# Altium PCB as14120_all_4.PcbDoc (part 1 of 3)
Units mm, origin at the board's own origin, x right, y up, seen from the top; angles counter-clockwise.
Board outline 130 x 100 mm, 6 copper layers (Top Layer, GND_top, Signal_Power, Signal_midle, GND_bot, Bottom Layer), stack 1.003 mm thick; 375 components, 345 nets, 2185 pads, 1021 vias.
Unrouted connection lines stored in the file: 609.
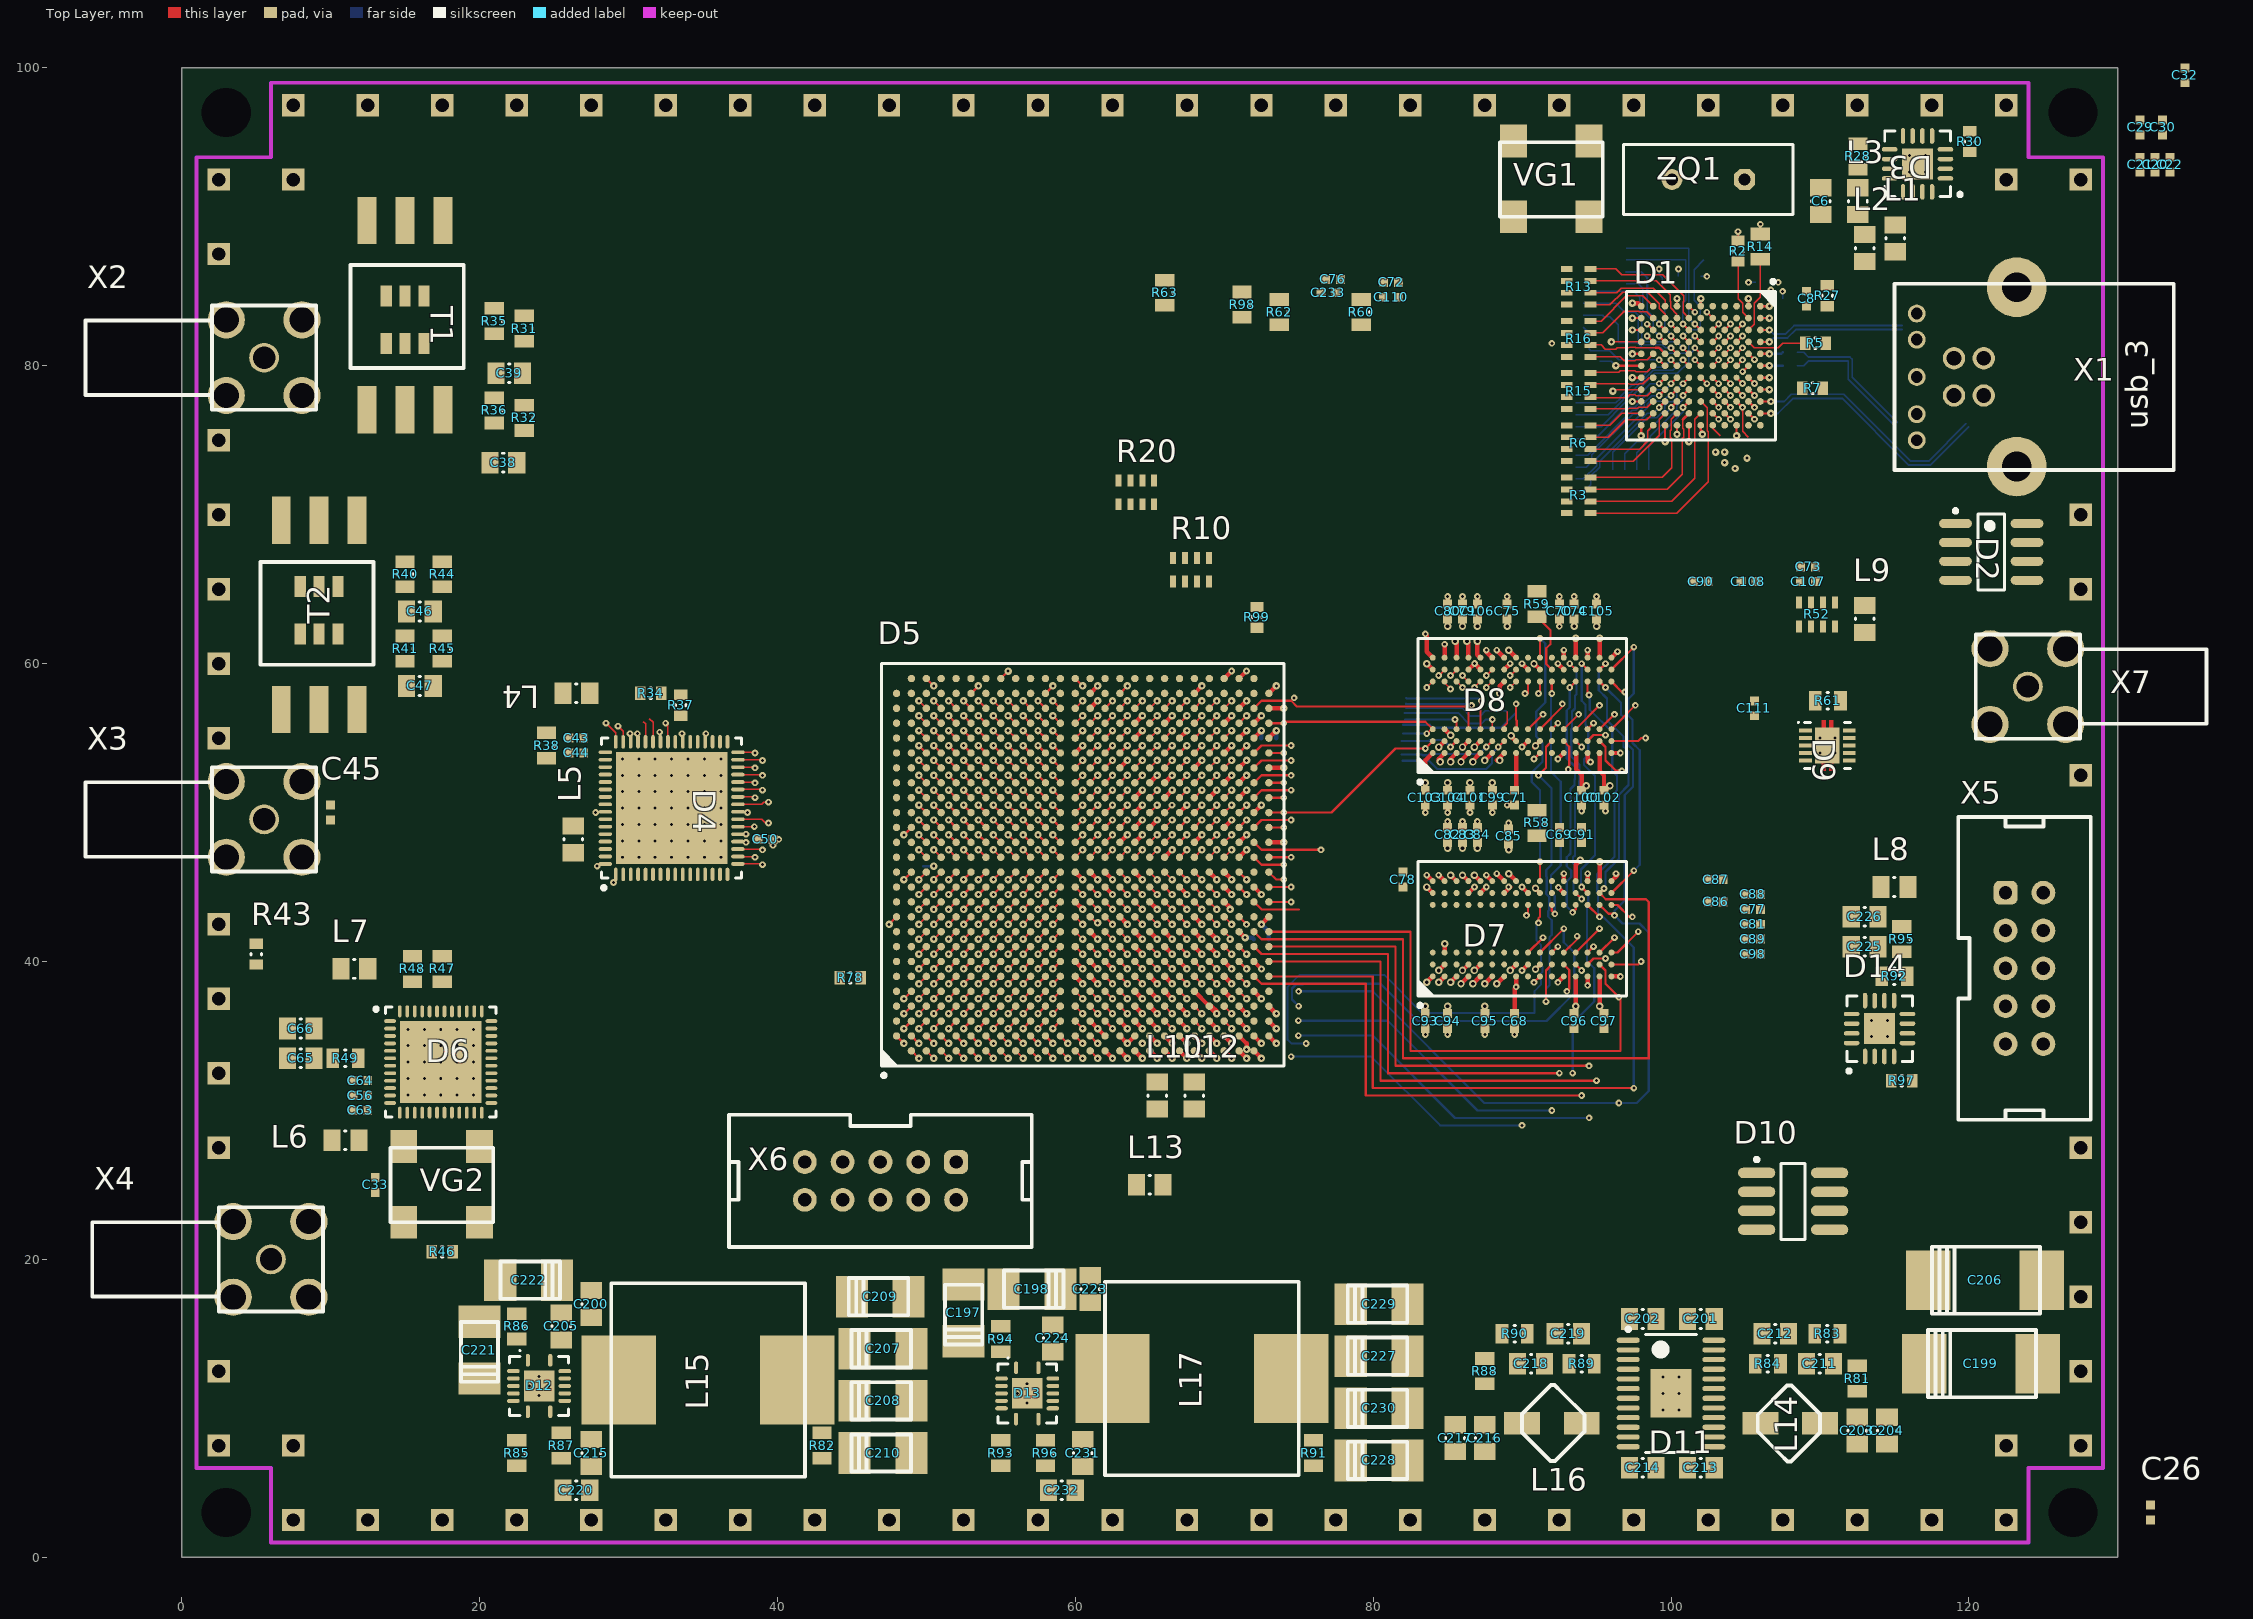
[diagram p0: Top Layer view]
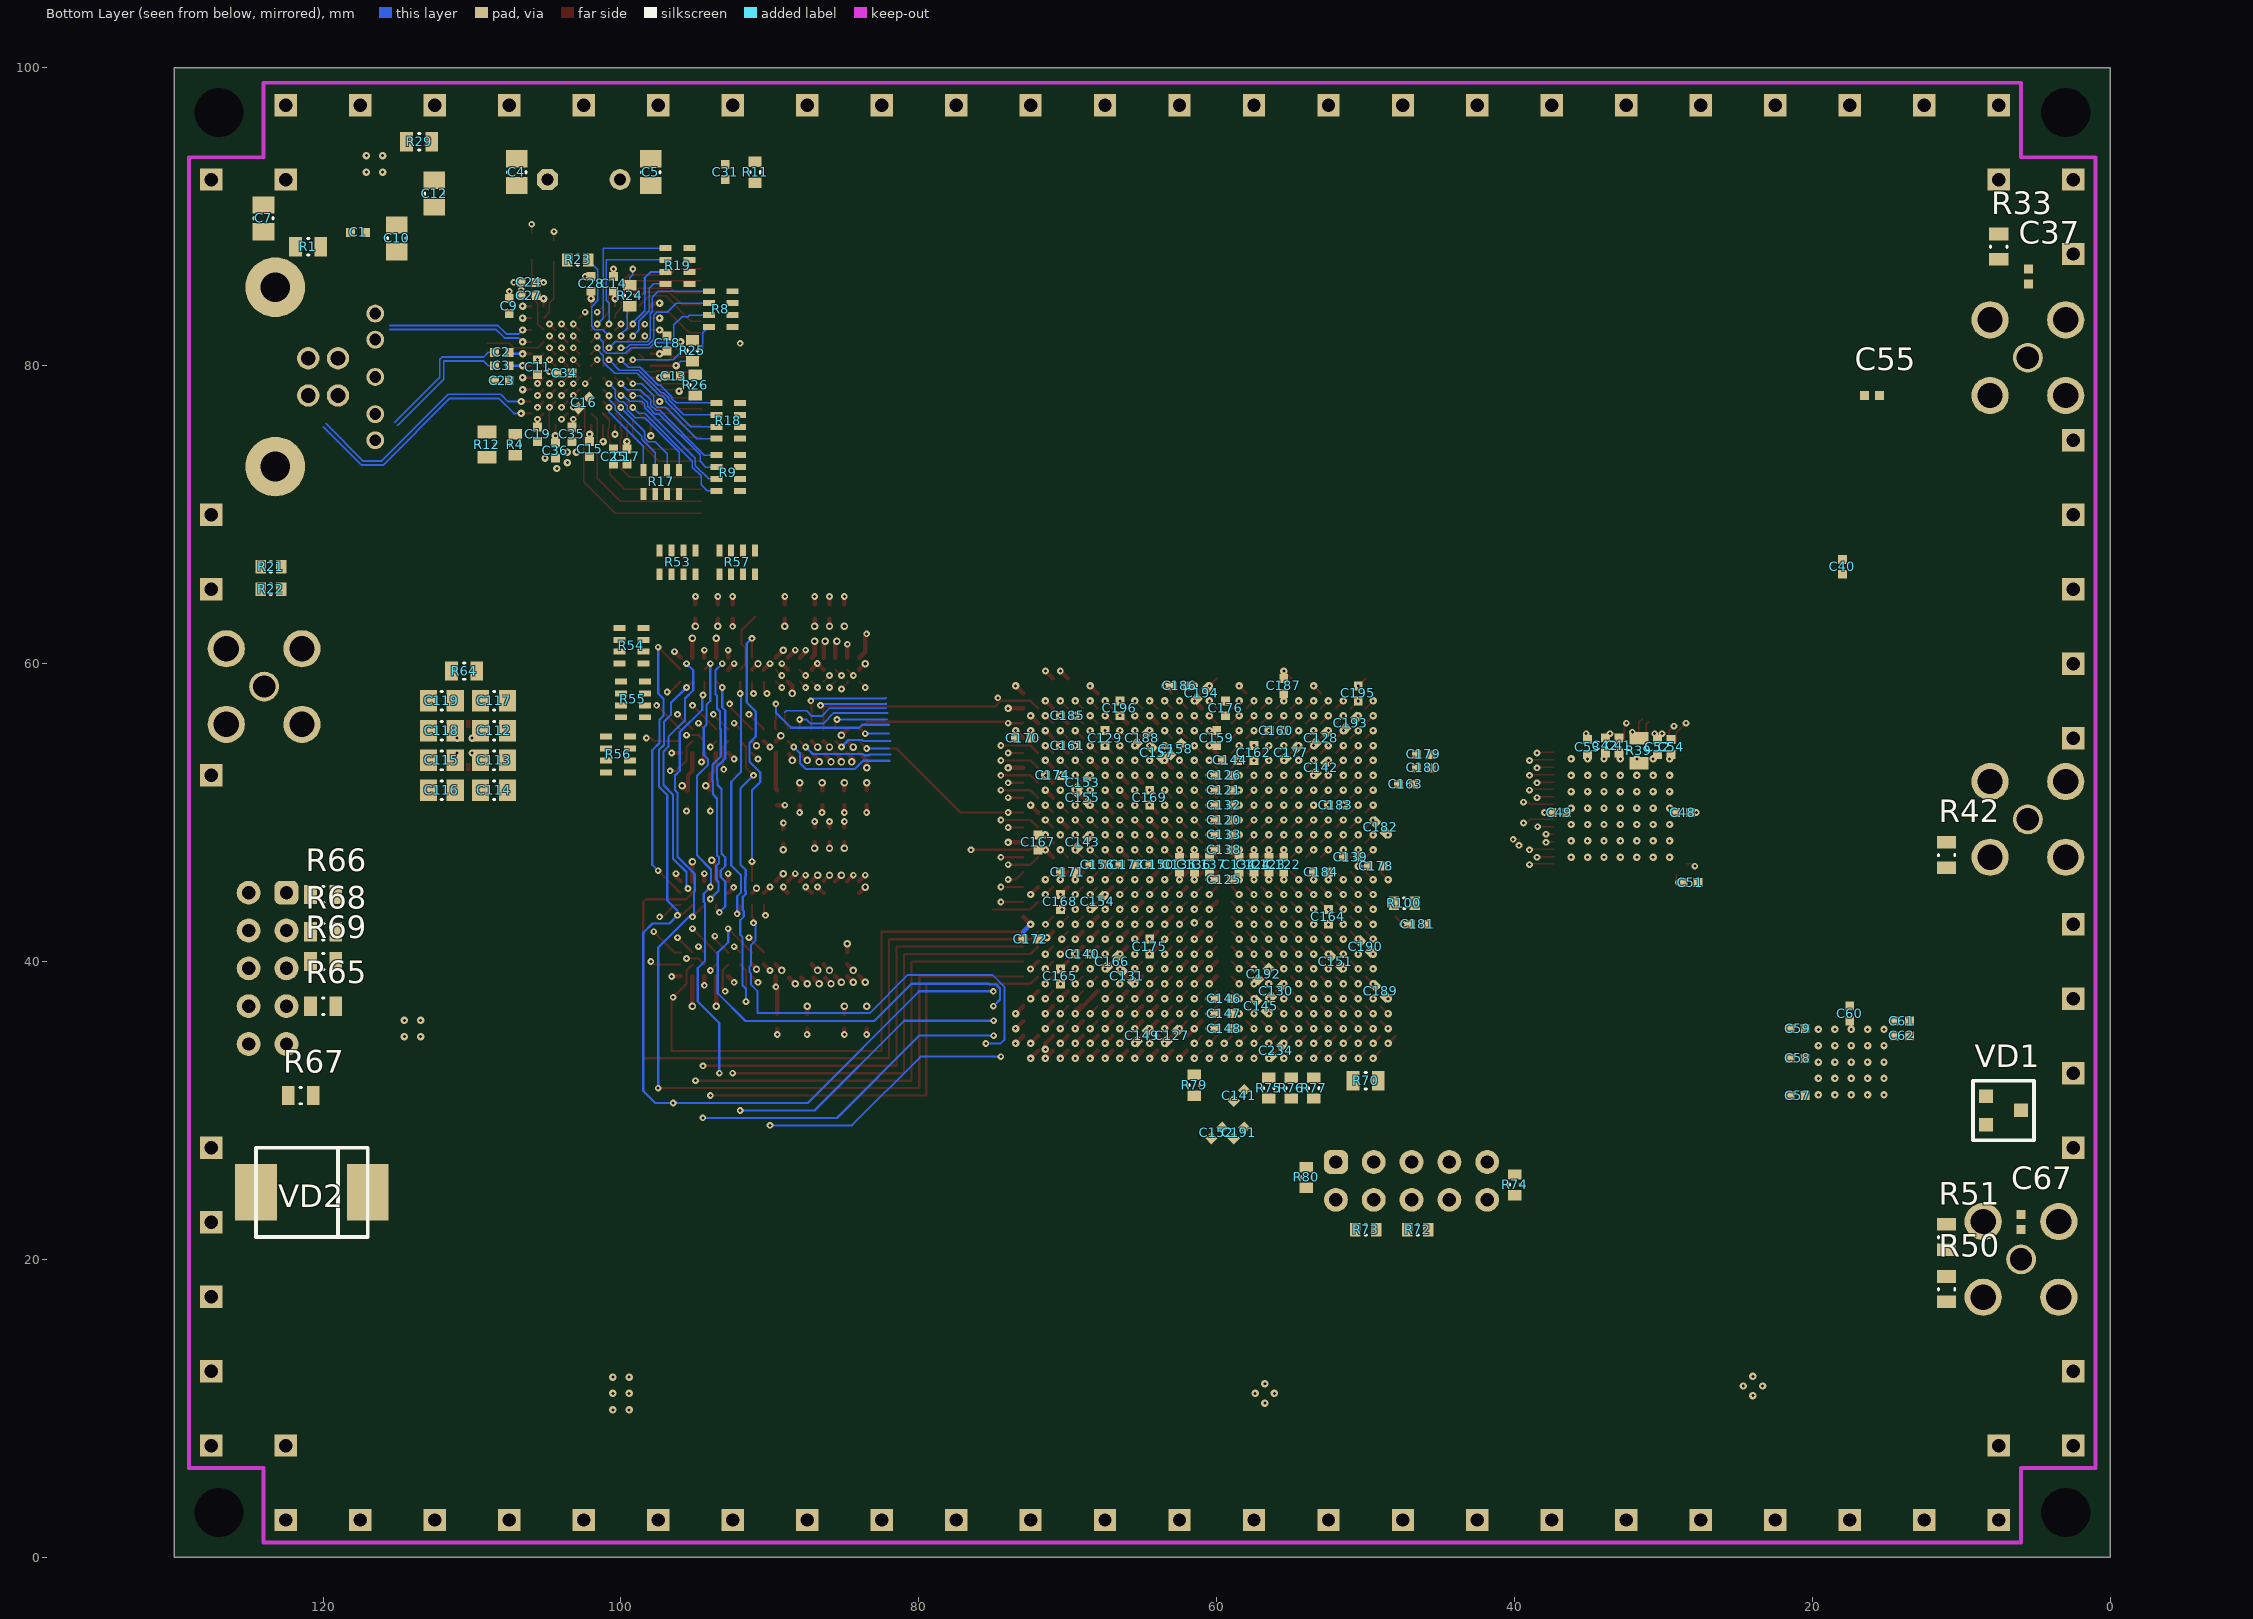
[diagram p1: Bottom Layer view, seen from below]
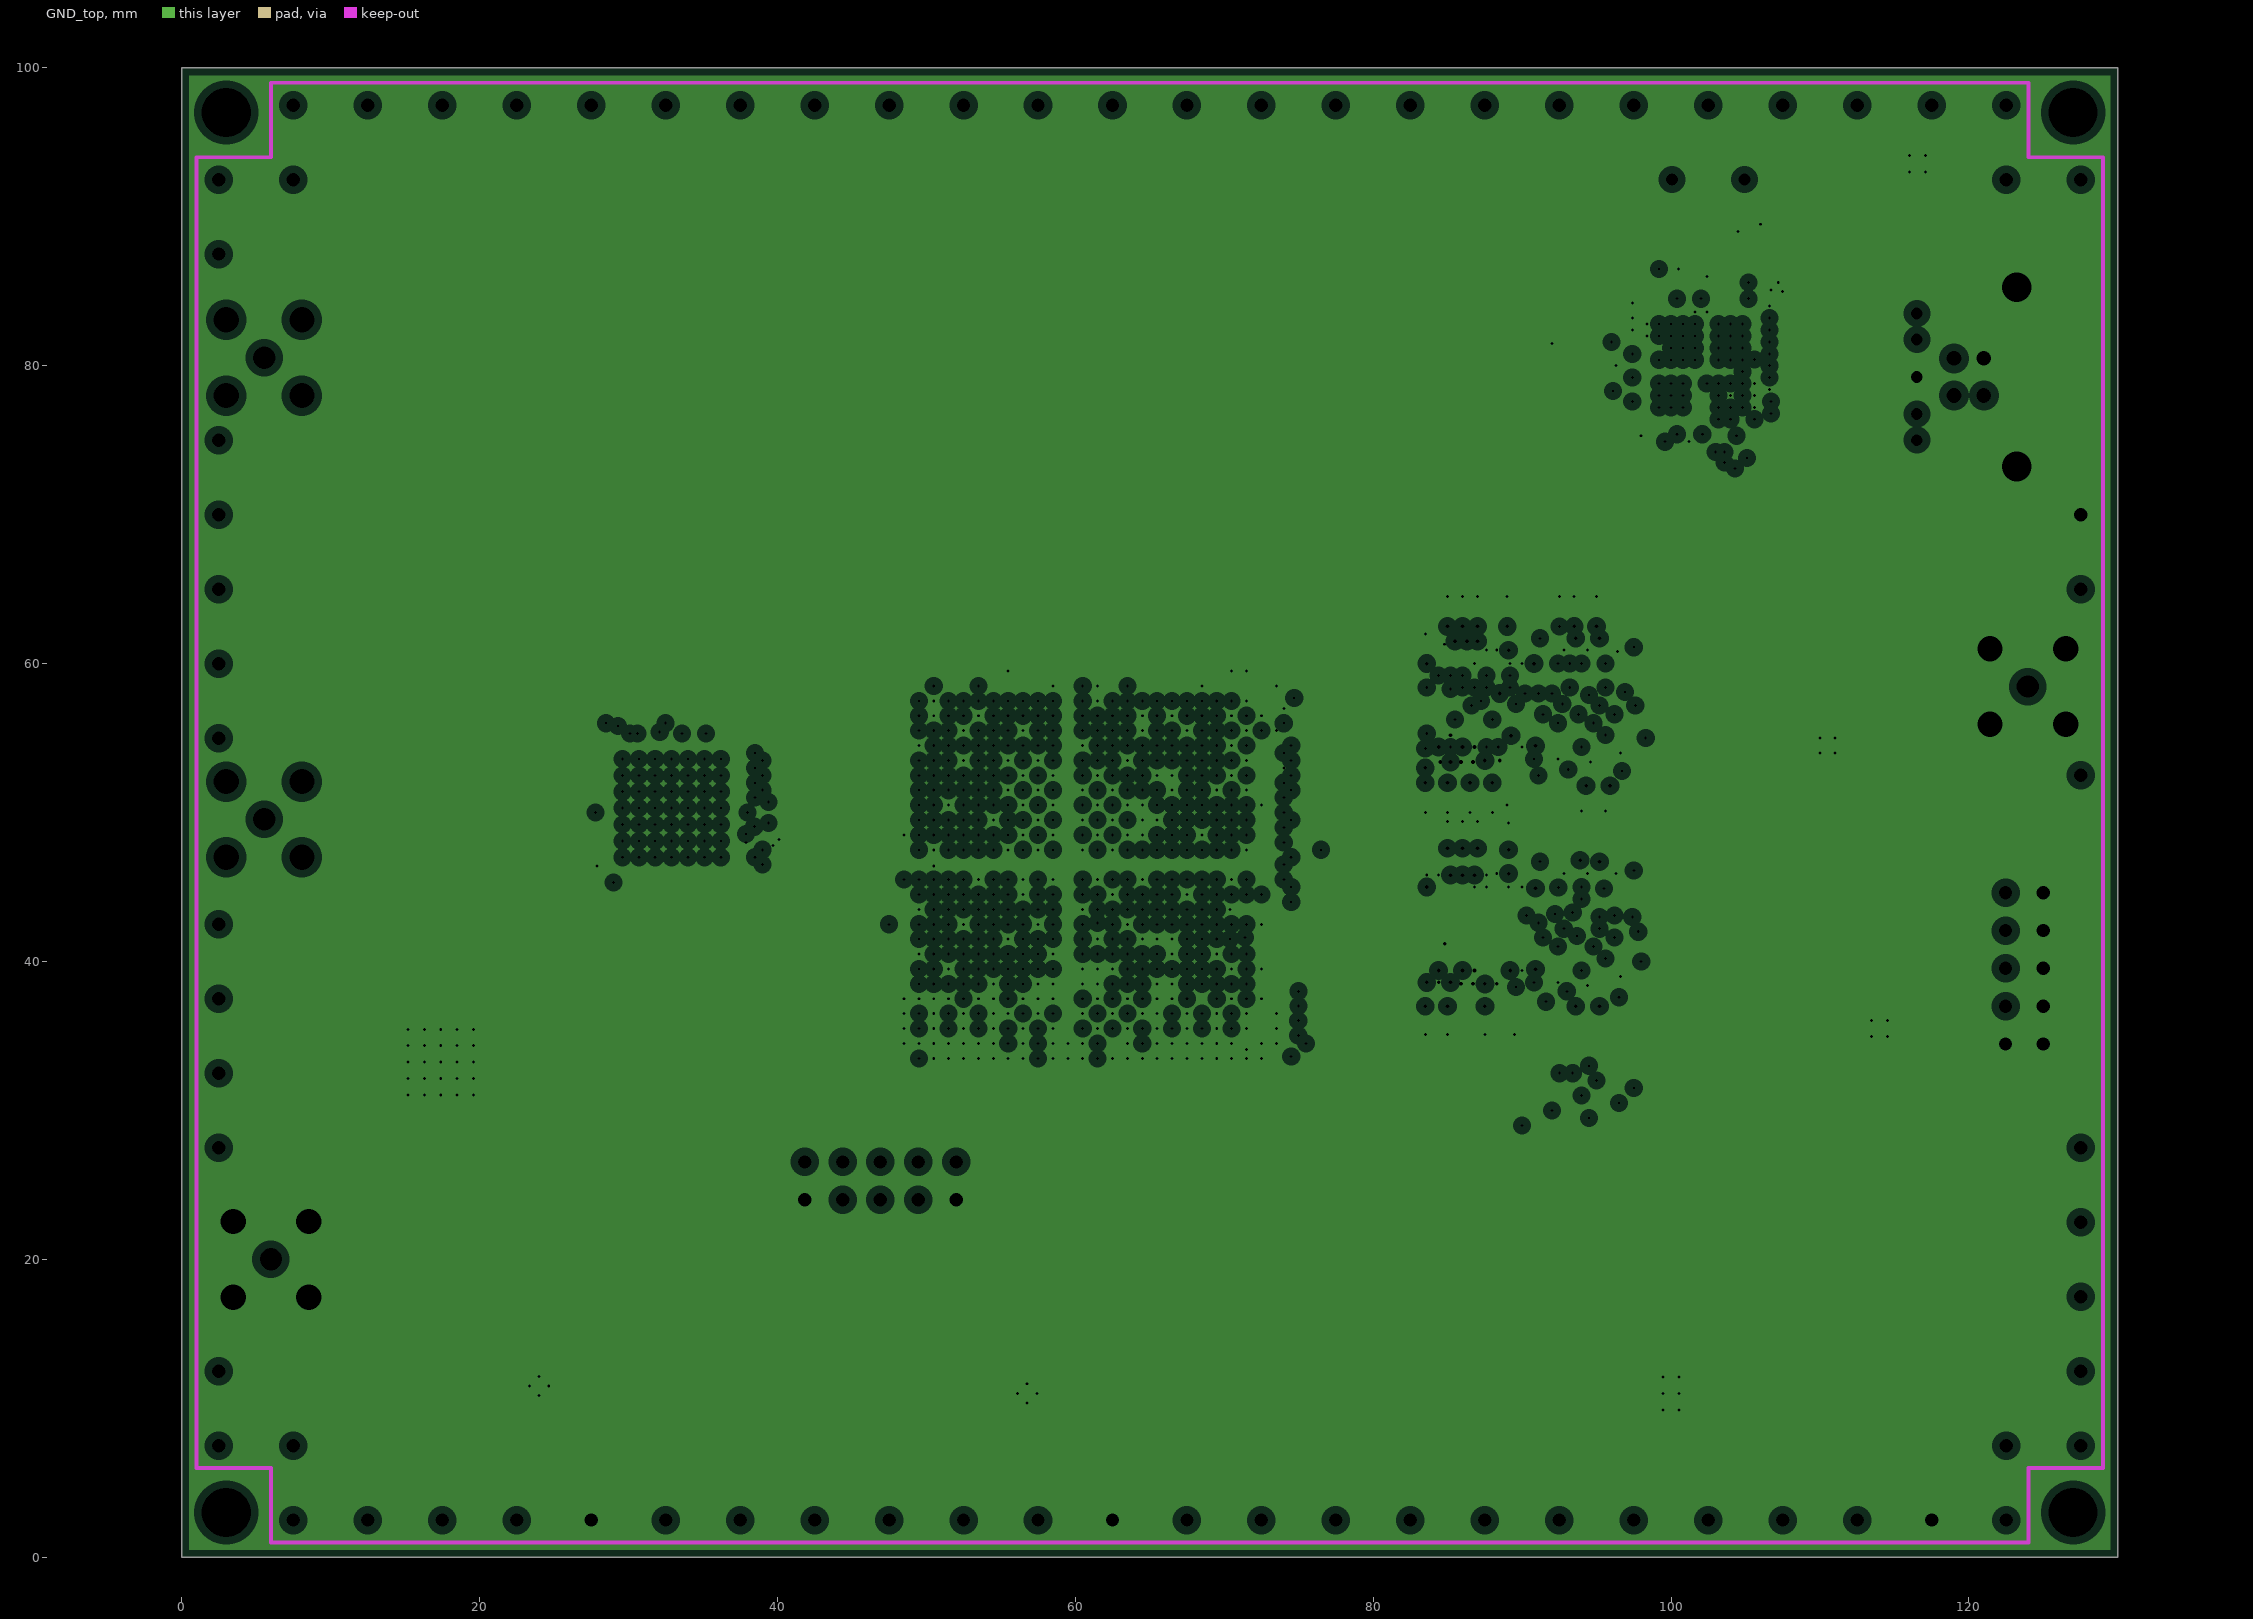
[diagram p2: GND_top, clearances drawn from the general rule]
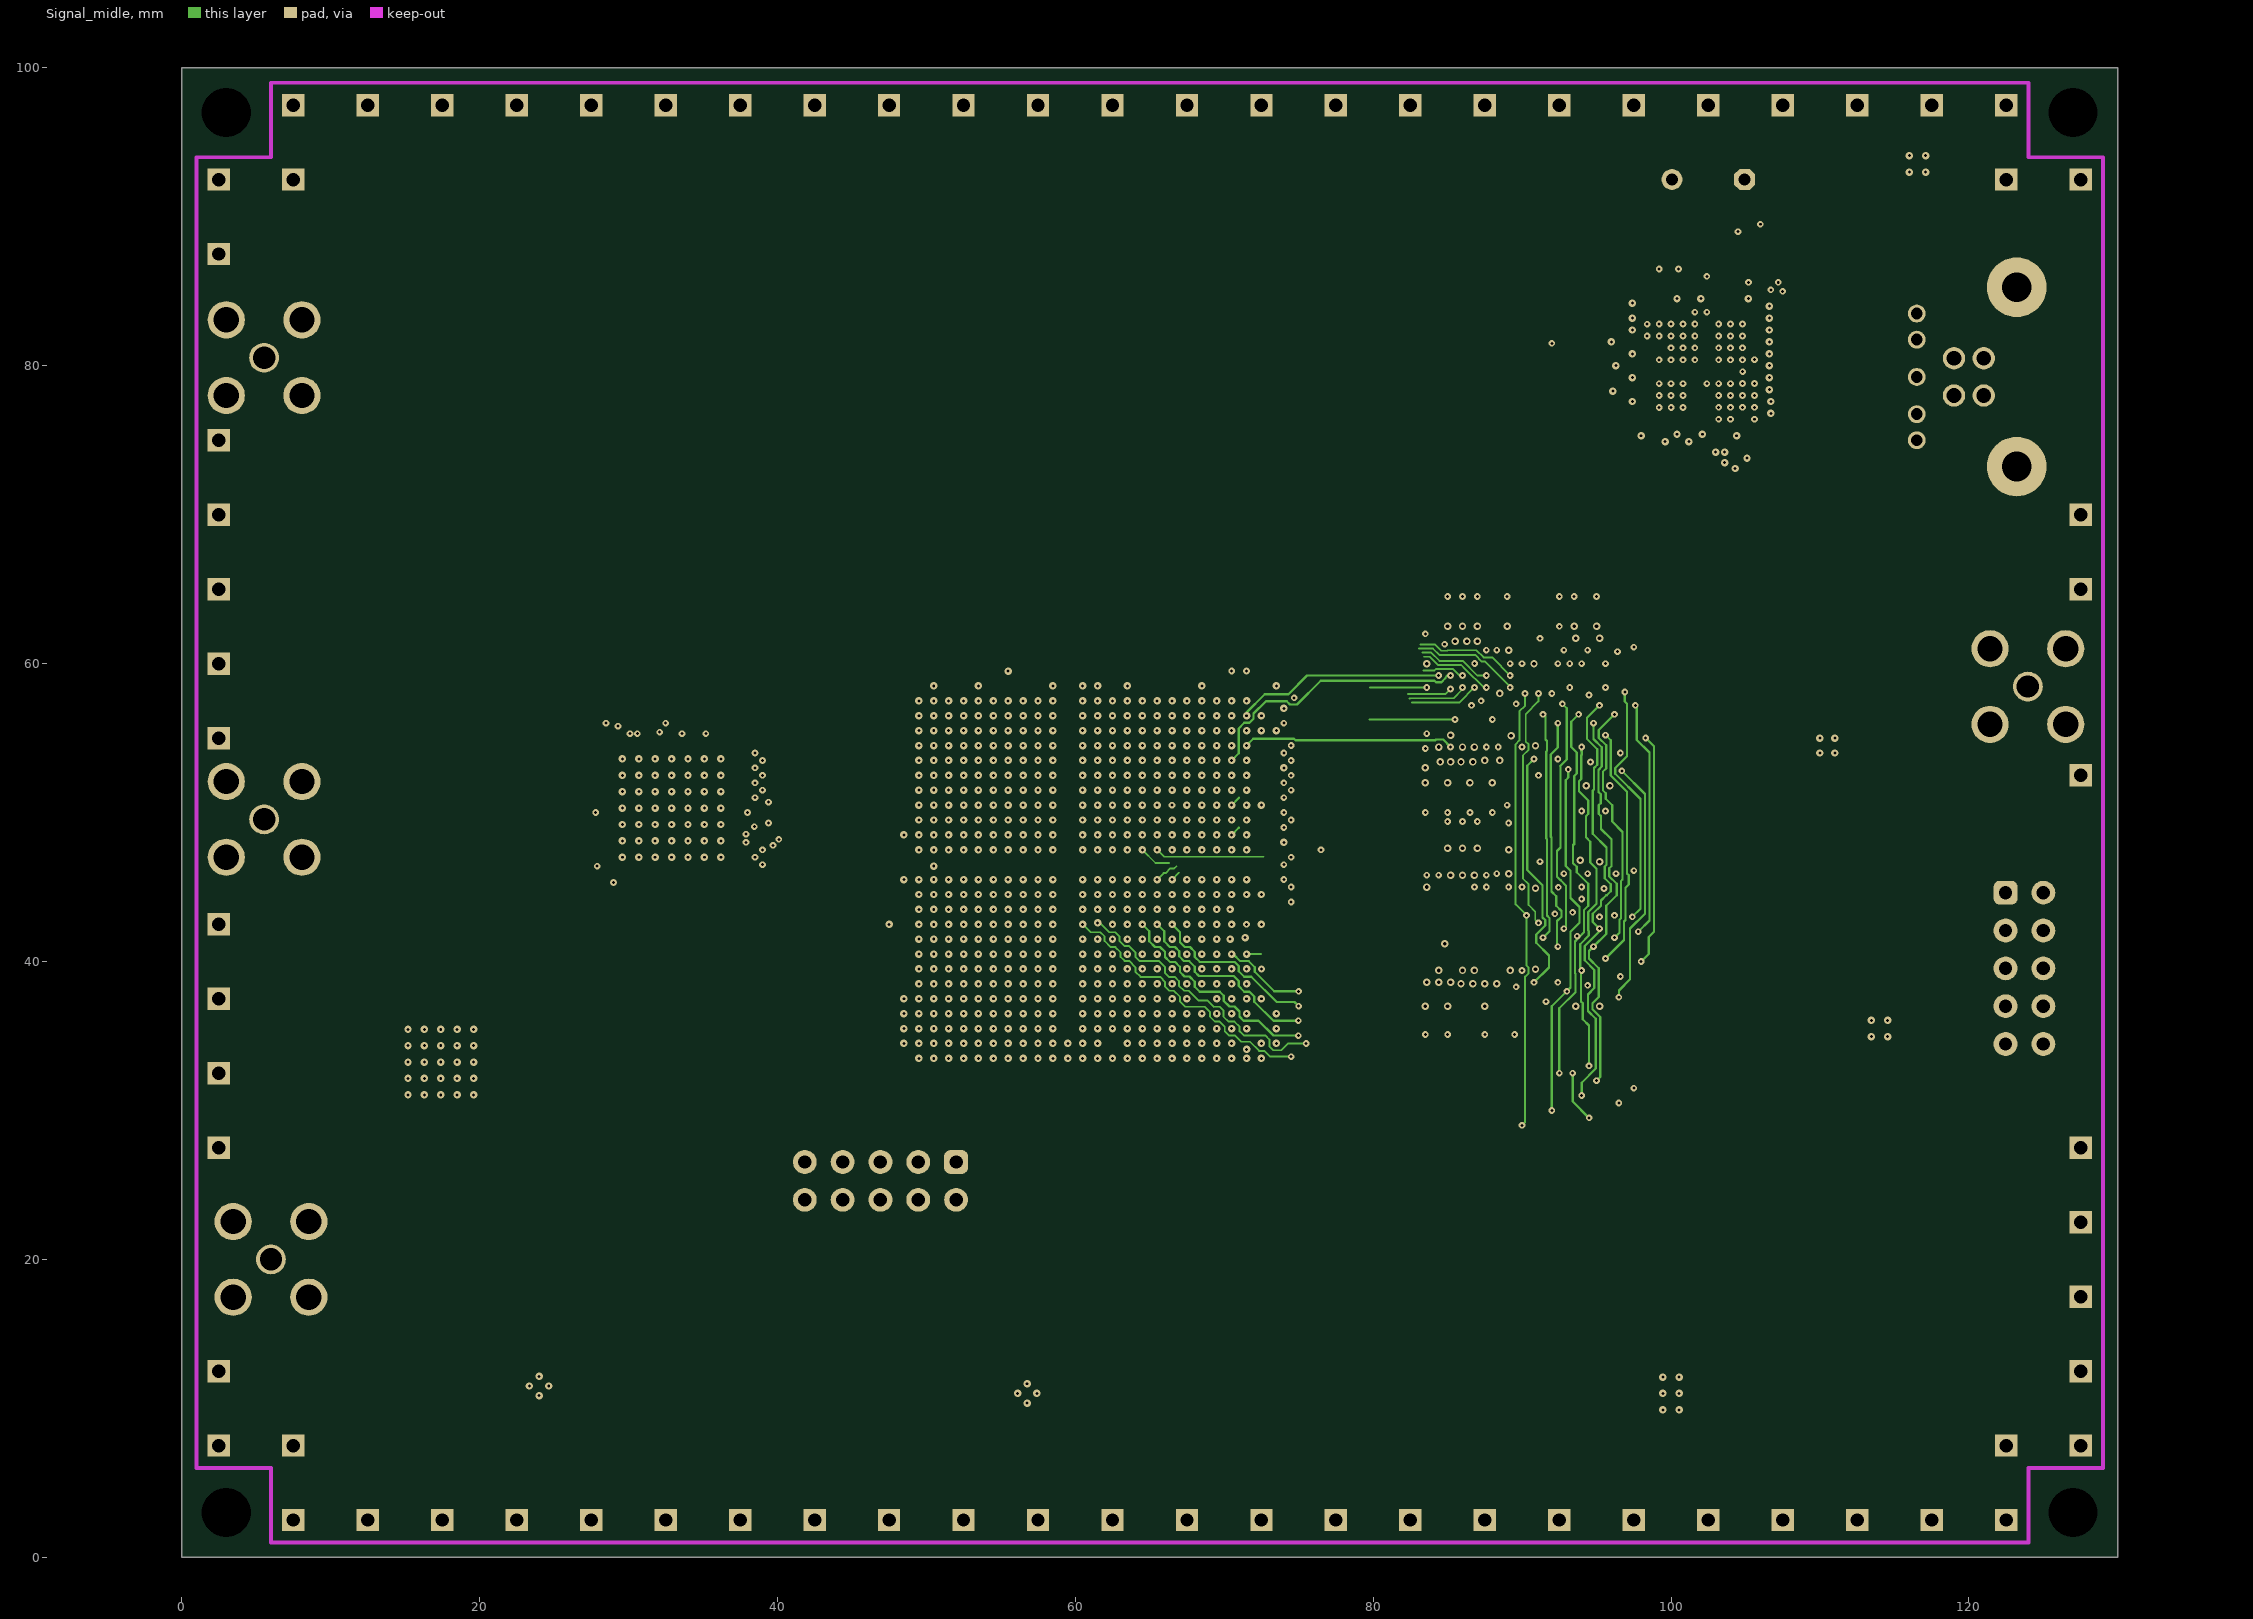
[diagram p3: Signal_midle]